# KiCad board AGBM-02_AA_1-1_GBE-plus-CXC_kicad10.kicad_pcb (continued)
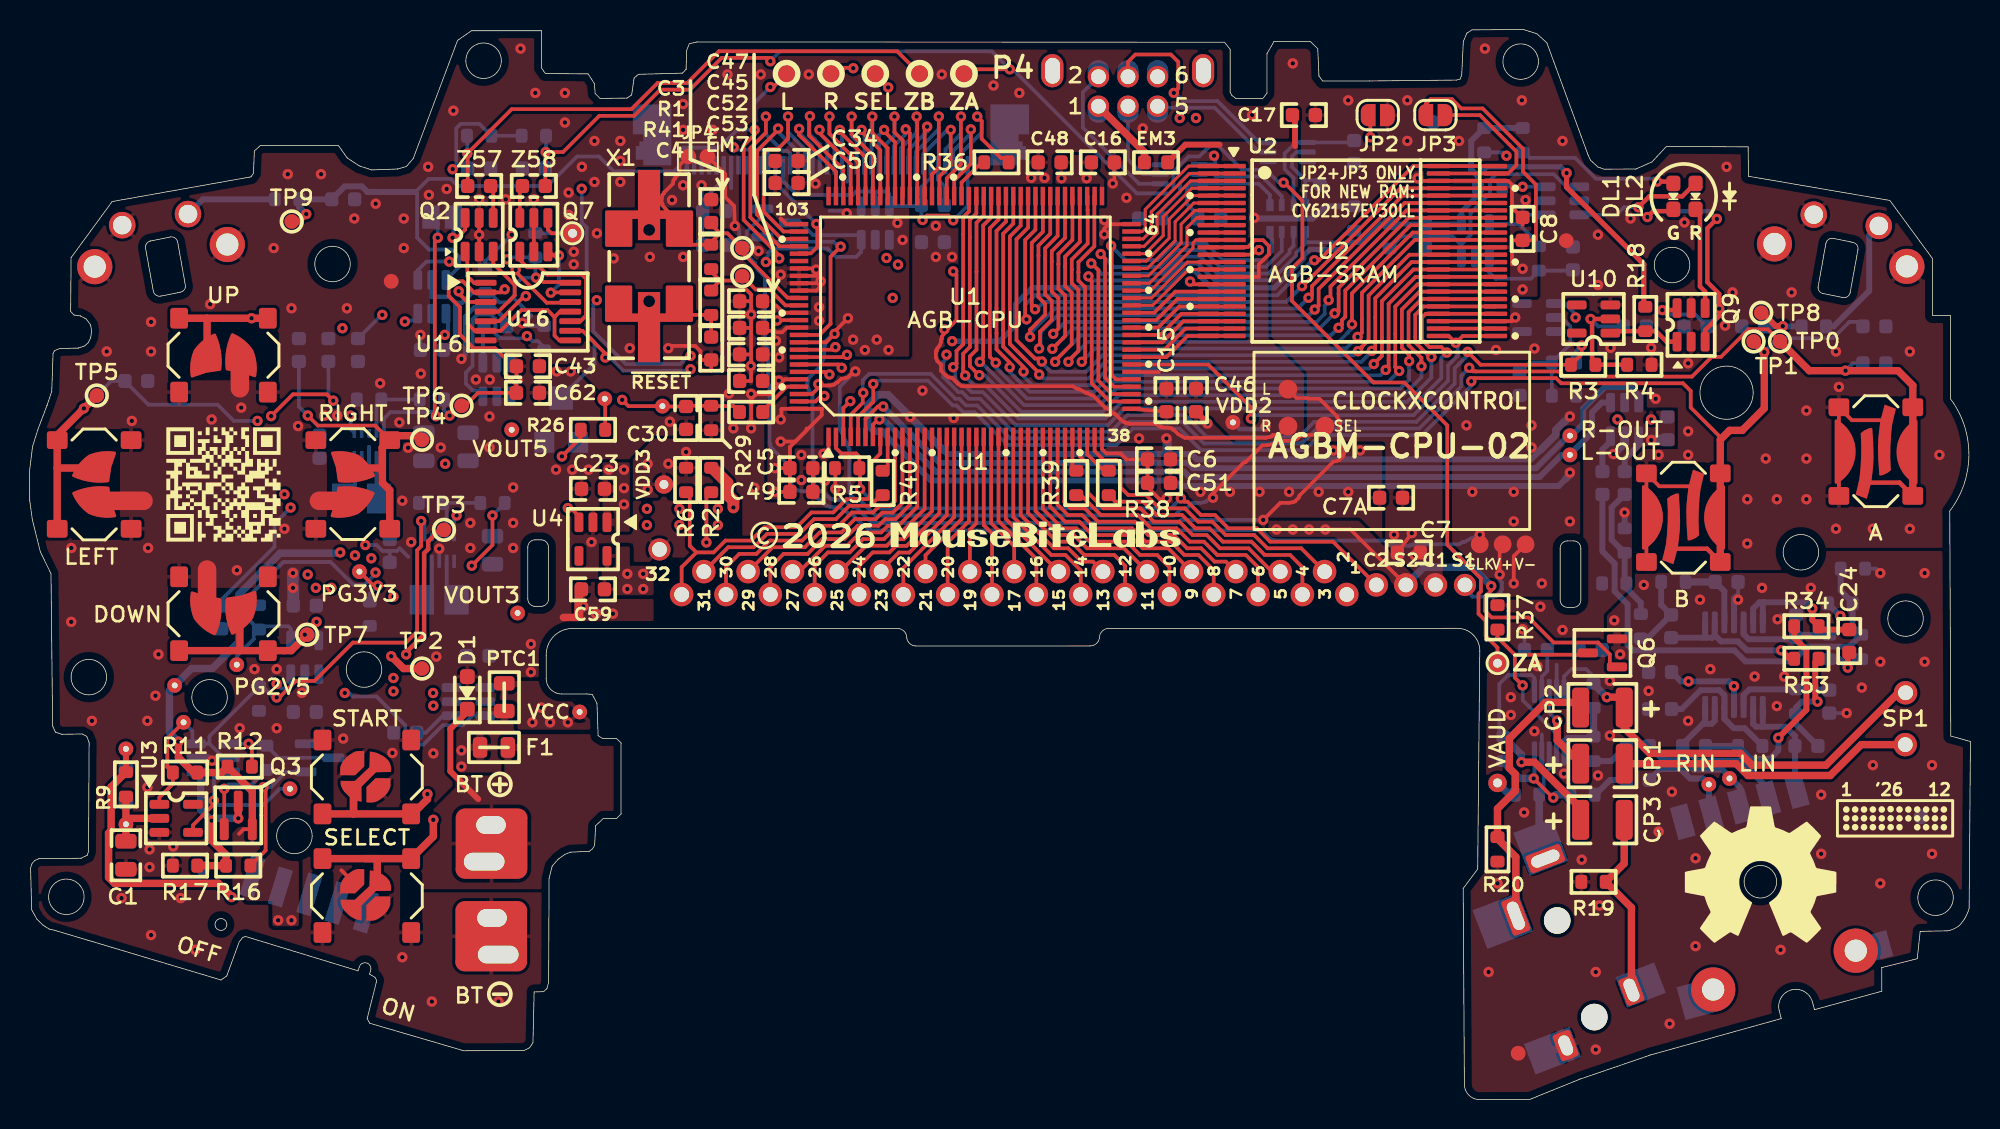
[diagram p0: board, top side]
## Library data of the parts (continued)
R7 R67 R68 R70 R71 = -: Description: Resistor, US symbol; Source: https://www.digikey.com/short/rpz9t4md; ki_fp_filters: R_*
R10 R47 R52 R56 R57 = -: Description: Resistor, small symbol; Source: https://www.digikey.com/short/38d0p2b4; ki_fp_filters: R_*
R11 R19 R20 = -: Description: Resistor, small symbol; Source: https://www.digikey.com/short/nwddb5fm; ki_fp_filters: R_*
R25 = -: Description: Resistor, small symbol; Source: https://www.digikey.com/short/w0t24jpv; ki_fp_filters: R_*
R29 R48 R54 = -: Description: Resistor, small symbol; Source: https://www.digikey.com/short/1rfwtcff; ki_fp_filters: R_*
R36 = -: Description: Resistor, small symbol; Source: https://www.digikey.com/short/85p4bp5h; ki_fp_filters: R_*
R38 R39 = -: Description: Resistor, small symbol; Source: https://www.digikey.com/short/2trwn31h; ki_fp_filters: R_*
R40 R43 R44 = -: Description: Resistor, small symbol; Source: https://www.digikey.com/short/d1537pn3; ki_fp_filters: R_*
R41 = -: Description: Resistor, small symbol; Source: https://www.digikey.com/short/89v4f1wn; ki_fp_filters: R_*
R42 R51 = -: Description: Resistor, small symbol; Source: https://www.digikey.com/short/vn4221jt; ki_fp_filters: R_*
R64 = -: Description: Resistor, small symbol; Source: https://www.digikey.com/short/3391593q; ki_fp_filters: R_*
RA1 = -: Description: 4 resistor network, parallel topology, split; Source: https://www.digikey.com/short/m8cr1b0n; ki_fp_filters: DIP* SOIC* R*Array*Concave* R*Array*Convex* MSOP*
SP1 = -: Source: https://tinyurl.com/yxxmec4w
SW1 = -: Description: Switch, single pole double throw; Source: https://www.digikey.com/short/0ww37f47
SW2 SW3 = -: Description: Push button switch, generic, two pins; Source: https://tinyurl.com/36tap2xj
SW4 = -: Description: A and B Buttons; Source: https://www.digikey.com/short/2cqndb3b; ki_fp_filters: SW*DPDT*
SW5 = -: Description: Start and Select Buttons; Source: https://www.digikey.com/short/2cqndb3b; ki_fp_filters: SW*DPDT*
SW6 = -: Description: D-Pad; Source: https://www.digikey.com/short/2cqndb3b; ki_fp_filters: SW*DPDT*
TP0-TP9 TP13-TP30 TP32-TP34 TP80 TP81 TP114 TP115 = -: Description: Test Point (Shortened); ki_fp_filters: Pin* Test*
TP10-TP12 TP31 = -: Description: test point; ki_fp_filters: Pin* Test*
U1 = -: Description: GBA CPU; Source: Salvage
U2 = -: Description: GBA SRAM; Source: Salvage
U3 U10 U17 = -: Source: https://www.digikey.com/short/pq9b8pqv
U4 U8 = -: Source: https://www.digikey.com/short/vzm4m93z; ki_fp_filters: SOT?223*TabPin2* TO?220* TO?263*
U6 = -: Source: https://www.digikey.com/short/r3rqdzt8
U7 = -: Description: Quad operational amplifier; Sim.Name: kicad_builtin_opamp_quad; Sim.Device: SUBCKT; Sim.Pins: 1=out1 2=in1- 3=in1+ 4=vcc 5=in2+ 6=in2- 7=out2 8=out3 9=in3- 10=in3+ 11=vee 12=in4+ 13=in4- 14=out4; Source: https://www.digikey.com/short/jhr04t1t; ki_fp_filters: SOIC*3.9x8.7mm*P1.27mm* DIP*W7.62mm* TSSOP*4.4x5mm*P0.65mm* SSOP*5.3x6.2mm*P0.65mm*
U9 = -: Datasheet: https://www.ti.com/lit/ds/symlink/sn74lvc2g14.pdf; Description: Dual schmitt inverter, VCC from 1.65 to 5.5 V, SOT-23; Source: https://www.digikey.com/short/tzhnmjv0; ki_fp_filters: SOT?23*
U11 U12 U18 = -: Datasheet: http://www.ti.com/lit/ds/symlink/tps22917.pdf; Description: 1V to 5.5V, 2A, 80mΩ Ultra-Low Leakage Load Switch, SOT23-6; Source: https://www.digikey.com/short/w4f9v7ht; ki_fp_filters: SOT?23*
U14 = -: Source: https://www.digikey.com/short/nrrw2pnh
U15 = -: Datasheet: http://www.ti.com/lit/sg/scyt129e/scyt129e.pdf; Description: Single OR 3-Input Gate, Low-Voltage CMOS; Source: https://www.digikey.com/short/734hmb3p; ki_fp_filters: SOT* SG*
U16 = -: Datasheet: http://www.ti.com/lit/gpn/sn74hc02; Description: quad 2-input NOR gate; Source: https://www.digikey.com/short/t1r20n2n; ki_fp_filters: SO14* DIP*W7.62mm*
VR1 = -: Description: Potentiometer; Source: https://www.digikey.com/short/p8zptq5h; ki_fp_filters: Potentiometer*
VR2 = -: Description: Dual potentiometer; Source: https://www.digikey.com/short/zh4rmq4h; ki_fp_filters: Potentiometer*
X1 = -: Description: Two pin crystal; Source: https://www.digikey.com/short/5t5j99c2; ki_fp_filters: Crystal*

## Footprints (pads in the part's own frame, mm; a bottom-side part is the same pattern mirrored in y, then rotated)
3313J-2
  rect 1.4x1.35 smd: 1(-1.55,1.15) 3(-1.55,-1.15)
  rect 1.6x1.6 smd: 2(1.45,0)
AGB-AB-Tact
  custom 1.21x4.8 smd: 1(-7.395,-2.78) 2(5.695,1.65) 3(-6.075,-1.62) 4(6.895,2.78)
  custom 1.416x4.36 smd: 1(-4.495,-2.22) 2(8.525,2.2) 3(-8.935,-2.24) 4(4.105,2.21)
  rrect 1.4x1.2 smd: 1(-4.225,0.75) 1(-4.225,-5.25) 2(8.8,5.225) 2(8.8,-0.775) 3(-9.225,0.75) 3(-9.225,-5.25) 4(3.8,5.225) 4(3.8,-0.775)
AGB-Battery
  oval 3.5x2 hole 2.75x1.2: 1(-0.46,1.97) 2(0.49,-4.32)
  custom 4.87x4.76 hole 3.75x1.2: 1(0,4.45) 2(0.07,-1.84)
AGB-Cart-Slot
  round 1.6 hole 1: 1(22,-0.65) 2(20.5,0.9) 3(19,-0.65) 4(17.5,0.9) 5(16,-0.65) 6(14.5,0.9) 7(13,-0.65) 8(11.5,0.9) 9(10,-0.65) 10(8.5,0.9) 11(7,-0.65) 12(5.5,0.9) 13(4,-0.65) 14(2.5,0.9) 15(1,-0.65) 16(-0.5,0.9) 17(-2,-0.65) 18(-3.5,0.9) 19(-5,-0.65) 20(-6.5,0.9) 21(-8,-0.65) 22(-9.5,0.9) 23(-11,-0.65) 24(-12.5,0.9) 25(-14,-0.65) 26(-15.5,0.9) 27(-17,-0.65) 28(-18.5,0.9) 29(-20,-0.65) 30(-21.5,0.9) 31(-23,-0.65) C1(28,0) C2(24,0) S2(26,0)
  round 1.5 hole 1: 32(-24.5,2.4) S1(30,0)
AGB-CPU
  rect 0.3x1.25 smd: 1(-9.25,-7.9) 2(-8.75,-7.9) 3(-8.25,-7.9) 4(-7.75,-7.9) 5(-7.25,-7.9) 6(-6.75,-7.9) 7(-6.25,-7.9) 8(-5.75,-7.9) 9(-5.25,-7.9) 10(-4.75,-7.9) 11(-4.25,-7.9) 12(-3.75,-7.9) 13(-3.25,-7.9) 14(-2.75,-7.9) 15(-2.25,-7.9) 16(-1.75,-7.9) 17(-1.25,-7.9) 18(-0.75,-7.9) 19(-0.25,-7.9) 20(0.25,-7.9) 21(0.75,-7.9) 22(1.25,-7.9) 23(1.75,-7.9) 24(2.25,-7.9) 25(2.75,-7.9) 26(3.25,-7.9) 27(3.75,-7.9) 28(4.25,-7.9) 29(4.75,-7.9) 30(5.25,-7.9) 31(5.75,-7.9) 32(6.25,-7.9) 33(6.75,-7.9) 34(7.25,-7.9) 35(7.75,-7.9) 36(8.25,-7.9) 37(8.75,-7.9) 38(9.25,-7.9) 65(9.25,8.4) 66(8.75,8.4) 67(8.25,8.4) 68(7.75,8.4) 69(7.25,8.4) 70(6.75,8.4) 71(6.25,8.4) 72(5.75,8.4) 73(5.25,8.4) 74(4.75,8.4) 75(4.25,8.4) 76(3.75,8.4) 77(3.25,8.4) 78(2.75,8.4) 79(2.25,8.4) 80(1.75,8.4) 81(1.25,8.4) 82(0.75,8.4) 83(0.25,8.4) 84(-0.25,8.4) 85(-0.75,8.4) 86(-1.25,8.4) 87(-1.75,8.4) 88(-2.25,8.4) 89(-2.75,8.4) 90(-3.25,8.4) 91(-3.75,8.4) 92(-4.25,8.4) 93(-4.75,8.4) 94(-5.25,8.4) 95(-5.75,8.4) 96(-6.25,8.4) 97(-6.75,8.4) 98(-7.25,8.4) 99(-7.75,8.4) 100(-8.25,8.4) 101(-8.75,8.4) 102(-9.25,8.4)
  rect 1.25x0.3 smd: 39(11.25,-6) 40(11.25,-5.5) 41(11.25,-5) 42(11.25,-4.5) 43(11.25,-4) 44(11.25,-3.5) 45(11.25,-3) 46(11.25,-2.5) 47(11.25,-2) 48(11.25,-1.5) 49(11.25,-1) 50(11.25,-0.5) 51(11.25,0) 52(11.25,0.5) 53(11.25,1) 54(11.25,1.5) 55(11.25,2) 56(11.25,2.5) 57(11.25,3) 58(11.25,3.5) 59(11.25,4) 60(11.25,4.5) 61(11.25,5) 62(11.25,5.5) 63(11.25,6) 64(11.25,6.5) 103(-11.25,6.5) 104(-11.25,6) 105(-11.25,5.5) 106(-11.25,5) 107(-11.25,4.5) 108(-11.25,4) 109(-11.25,3.5) 110(-11.25,3) 111(-11.25,2.5) 112(-11.25,2) 113(-11.25,1.5) 114(-11.25,1) 115(-11.25,0.5) 116(-11.25,0) 117(-11.25,-0.5) 118(-11.25,-1) 119(-11.25,-1.5) 120(-11.25,-2) 121(-11.25,-2.5) 122(-11.25,-3) 123(-11.25,-3.5) 124(-11.25,-4) 125(-11.25,-4.5) 126(-11.25,-5) 127(-11.25,-5.5) 128(-11.25,-6)
AGB-Crystal
  custom 5.95x5.2 smd: 1(0,4.125)
  custom 5.95x5.19 smd: 2(0,-4.135)
AGB-DPAD-Tact
  rrect 1.2x1.4 smd: 1(-3,11.25) 1(3,11.25) 3(-3,-11.25) 3(3,-11.25) 5(-3,6.25) 5(3,6.25) 7(-3,-6.25) 7(3,-6.25)
  custom 2.141x2.972 smd: 1(-1.11,9.07) 3(1.11,-9.03) 5(1.11,9.09) 7(-1.11,-9.07)
  custom 2.972x2.141 smd: 2(9.11,1.11) 4(-9.1,1.11) 6(9.08,-1.11) 8(-9.09,-1.11)
  rrect 1.4x1.2 smd: 2(11.25,3) 2(11.25,-3) 4(-11.25,3) 4(-11.25,-3) 6(6.25,3) 6(6.25,-3) 8(-6.25,3) 8(-6.25,-3)
AGB-EXT
  round 1.45 hole 1: 1(-2,0) 2(-2,2) 3(0,0) 4(0,2) 5(2,0) 6(2,2)
  oval 1.5x2.25 hole 1x1.75: 7(-5.1,2.4) 8(5.1,2.4)
AGB-FFC-Connector
  custom 2.6x4.125 smd: 0(-11.75,-2.062) 0(11.75,-2.062)
  rect 0.3x1.25 smd: 1(9.75,0) 2(9.25,0) 3(8.75,0) 4(8.25,0) 5(7.75,0) 6(7.25,0) 7(6.75,0) 8(6.25,0) 9(5.75,0) 10(5.25,0) 11(4.75,0) 12(4.25,0) 13(3.75,0) 14(3.25,0) 15(2.75,0) 16(2.25,0) 17(1.75,0) 18(1.25,0) 19(0.75,0) 20(0.25,0) 21(-0.25,0) 22(-0.75,0) 23(-1.25,0) 24(-1.75,0) 25(-2.25,0) 26(-2.75,0) 27(-3.25,0) 28(-3.75,0) 29(-4.25,0) 30(-4.75,0) 31(-5.25,0) 32(-5.75,0) 33(-6.25,0) 34(-6.75,0) 35(-7.25,0) 36(-7.75,0) 37(-8.25,0) 38(-8.75,0) 39(-9.25,0) 40(-9.75,0)
AGB-L
  round 1.796 hole 1.25: 1(0,0) 2(-4.45,-0.75)
  round 2.38 hole 1.5: 2(-6.31,-3.56) 2(2.66,-2.06)
AGB-R
  round 1.796 hole 1.25: 1(0,0) 2(-4.4,0.76)
  round 2.38 hole 1.5: 2(-7.06,-1.22) 2(1.9,-2.74)
AGB-Speaker
  round 1.588 hole 1: 1(0.025,0) 2(0.005,-3.51)
AGB-SRAM_2
  rrect 1.49x0.3 smd: 1(-8.45,5.75) 2(-8.45,5.25) 3(-8.45,4.75) 4(-8.45,4.25) 5(-8.45,3.75) 6(-8.45,3.25) 7(-8.45,2.75) 8(-8.45,2.25) 9(-8.45,1.75) 10(-8.45,1.25) 11(-8.45,0.75) 12(-8.45,0.25) 13(-8.45,-0.25) 14(-8.45,-0.75) 15(-8.45,-1.25) 16(-8.45,-1.75) 17(-8.45,-2.25) 18(-8.45,-2.75) 19(-8.45,-3.25) 20(-8.45,-3.75) 21(-8.45,-4.25) 22(-8.45,-4.75) 23(-8.45,-5.25) 24(-8.45,-5.75)
  rrect 1.525x0.3 smd: 1(-6.69,5.75) 2(-6.69,5.25) 3(-6.69,4.75) 4(-6.69,4.25) 5(-6.69,3.75) 6(-6.69,3.25) 7(-6.69,2.75) 8(-6.69,2.25) 9(-6.69,1.75) 10(-6.69,1.25) 11(-6.69,0.75) 12(-6.69,0.25) 13(-6.69,-0.25) 14(-6.69,-0.75) 15(-6.69,-1.25) 16(-6.69,-1.75) 17(-6.69,-2.25) 18(-6.69,-2.75) 19(-6.69,-3.25) 20(-6.69,-3.75) 21(-6.69,-4.25) 22(-6.69,-4.75) 23(-6.69,-5.25) 24(-6.69,-5.75)
  rrect 1.575x0.3 smd: 25(7.1,-5.75) 25(10.967,-5.75) 26(7.1,-5.25) 26(10.967,-5.25) 27(7.1,-4.75) 27(10.967,-4.75) 28(7.1,-4.25) 28(10.967,-4.25) 29(7.1,-3.75) 29(10.967,-3.75) 30(7.1,-3.25) 30(10.967,-3.25) 31(7.1,-2.75) 31(10.967,-2.75) 32(7.1,-2.25) 32(10.967,-2.25) 33(7.1,-1.75) 33(10.967,-1.75) 34(7.1,-1.25) 34(10.967,-1.25) 35(7.1,-0.75) 35(10.967,-0.75) 36(7.1,-0.25) 36(10.967,-0.25) 37(7.1,0.25) 37(10.967,0.25) 38(7.1,0.75) 38(10.967,0.75) 39(7.1,1.25) 39(10.967,1.25) 40(7.1,1.75) 40(10.967,1.75) 41(7.1,2.25) 41(10.967,2.25) 42(7.1,2.75) 42(10.967,2.75) 43(7.1,3.25) 43(10.967,3.25) 44(7.1,3.75) 44(10.967,3.75) 45(7.1,4.25) 45(10.967,4.25) 46(7.1,4.75) 46(10.967,4.75) 47(7.1,5.25) 47(10.967,5.25) 48(7.1,5.75) 48(10.967,5.75)
AGB-Start-Select-Tact
  rrect 1.2x1.4 smd: 1(-3,-2.5) 1(3,-2.5) 2(-3,-5.525) 2(3,-5.525) 3(-3,2.5) 3(3,2.5) 4(-3,-10.525) 4(3,-10.525)
  custom 3.42x3.39 smd: 1(0.705,0.91) 2(0.705,-7.13)
  custom 1.63x1.65 smd: 3(-0.925,0.88) 3(0.725,-0.85) 4(-0.925,-7.11) 4(0.715,-8.85)
AGB-Switch_CSS-1X10B_Uncentered
  rect 1x2.8 smd: 1(-3.425,2.6) 2(-1.425,2.6) 3(0.575,2.6) 4(4.6,2.6)
  rect 1x2.6 smd: 3(2.6,2.5)
C_0603_1608Metric_Boxed_2
  rrect 0.9x0.95 smd: 1(-0.775,0) 2(0.775,0)
C_0805_2012Metric_Boxed_2
  rrect 1x1.45 smd: 1(-0.95,0) 2(0.95,0)
C_1210_3225Metric_Boxed_2
  rrect 1.15x2.7 smd: 1(-1.475,0) 2(1.475,0)
ClockxControl_GBA_GBC
  round 1.27 smd: 1(4.525,-1) 2(7.025,-3.5) 3(7.025,-1)
CUI_SJ-3524-SMT
  round 1.8 hole 1.8 unplated: (0,0) (7,0)
  rect 2.2x3.3 smd: 1(-1.1,-3.45)
  rrect 1.905x1.27 hole 1.4x0.8: 1(-1.1,-2.5)
  rect 2.8x3.3 smd: 2(8.3,-3.45)
  rrect 2.5x1.27 hole 2x0.8: 2(8.3,-2.5)
  rrect 1.905x1.27 hole 1.6x0.8: 3(0.8,3)
  rect 2.2x2.8 smd: 3(0.9,3.7)
  rrect 1.27x2.5 hole 0.8x2: 4(11.2,0.75)
  rect 3.1x2.8 smd: 4(12.05,0.75)
D_SOD-323F
  rrect 1x1 smd: 1(-1.1,0) 2(1.1,0)
Fiducial_1mm_Mask2mm
  round 1 smd: 1(0,0)
Fuse_0805_2012Metric
  rrect 0.975x1.4 smd: 1(-0.938,0) 2(0.938,0)
L_0603_1608Metric
  rrect 0.875x0.95 smd: 1(-0.787,0) 2(0.787,0)
L_CommonModeChoke_TDK_ACM2520-3P
  rrect 1.15x0.35 smd: 1(-1.325,0.65) 2(-1.325,0) 3(-1.325,-0.65) 4(1.325,-0.65) 5(1.325,0) 6(1.325,0.637)
L_Taiyo-Yuden_NR-20xx_HandSoldering
  rect 1.65x2 smd: 1(-1.175,0) 2(1.175,0)
LED_0603_1608Metric_Pad1.05x0.95mm_HandSolder
  rrect 1.05x0.95 smd: 1(-0.875,0) 2(0.875,0)
MSOP-10_3x3mm_P0.5mm
  rrect 1.625x0.35 smd: 1(-2.112,1) 2(-2.112,0.5) 3(-2.112,0) 4(-2.112,-0.5) 5(-2.112,-1) 6(2.112,-1) 7(2.112,-0.5) 8(2.112,0) 9(2.112,0.5) 10(2.112,1)
NetTie-2_SMD_Pad0.5mm
  round 0.5 smd: 1(-0.5,0) 2(0.5,0)
R_0603_1608Metric_Boxed
  rrect 0.8x0.95 smd: 1(-0.825,0) 2(0.825,0)
R_Array_Convex_4x0603
  rect 0.8x0.5 smd: 1(-0.9,1.2) 4(-0.9,-1.2) 5(0.9,-1.2) 8(0.9,1.2)
  rect 0.8x0.4 smd: 2(-0.9,0.4) 3(-0.9,-0.4) 6(0.9,-0.4) 7(0.9,0.4)
RK10J12R0A0B_w_THT
  rect 1.2x2.25 smd: 1(4,-9) 2(2,-9) 3(0,-9) 4(-2,-9) 5(-4,-9)
  rect 2.5x2.3 smd: 6(-6.1,2.85)
  round 3 hole 1.5: 6(-5,2.5) 6(5,2.5)
  rect 2.5x1.8 smd: 6(6.1,2.6)
SJ
  rect 1.168x1.6 smd: 1(-0.762,0) 2(0.762,0)
SJ_ROUNDED
  custom 1x1.5 smd: 1(-0.65,0) 2(0.65,0)
SolderJumper_2_Open
  round 1.05 smd: 1(-0.65,0) 2(0.65,0)
SOT-23
  rrect 1.375x0.6 smd: 1(-0.988,0.95) 2(-0.988,-0.95) 3(0.988,0)
SOT-23#2
  rrect 1.475x0.6 smd: 1(-0.938,0.95) 2(-0.938,-0.95) 3(0.938,0)
SOT-23-5
  rrect 1.325x0.6 smd: 1(-1.137,0.95) 2(-1.137,0) 3(-1.137,-0.95) 4(1.137,-0.95) 5(1.137,0.95)
TestPoint_Pad_D1.0mm
  round 1.5 smd: 1(0,0)
TestPoint_Pad_D1.0mm#2
  round 1 smd: 1(0,0)
TestPoint_Pad_D1.0mm#3
  round 1.2 smd: 1(0,0)
TestPoint_Pad_D1.0mm_VIA
  round 1 hole 0.4: 1(0,0)
TestPoint_Pad_D1.25mm_VIA
  round 1.25 hole 0.6: 1(0,0)
TSOT-23-6
  rrect 1.325x0.6 smd: 1(-1.137,0.95) 2(-1.137,0) 3(-1.137,-0.95) 4(1.137,-0.95) 5(1.137,0) 6(1.137,0.95)
TSSOP-14_4.4x5mm_P0.65mm
  rrect 1.475x0.4 smd: 1(-2.862,1.95) 2(-2.862,1.3) 3(-2.862,0.65) 4(-2.862,0) 5(-2.862,-0.65) 6(-2.862,-1.3) 7(-2.862,-1.95) 8(2.862,-1.95) 9(2.862,-1.3) 10(2.862,-0.65) 11(2.862,0) 12(2.862,0.65) 13(2.862,1.3) 14(2.862,1.95)
VREG_TPS63802DLAR
  rrect 0.6x0.25 smd: 1(-0.9,1) 2(-0.9,0.5) 3(-0.9,0) 4(-0.9,-0.5) 5(-0.9,-1)
  rrect 0.9x0.25 smd: 6(0.75,-1) 7(0.75,-0.5) 9(0.75,0.5) 10(0.75,1)
  rrect 1.3x0.25 smd: 8(0.55,0)

## Nets
AGND: C9.2 C26.2 C27.2 C31.2 C33.2 C36.2 C38.2 C54.2 C59.2 NT1.2 P3.1 Q6.2 R19.2 R20.2 R45.2 R49.2 U6.4 U7.11 U9.2 VR2.5
GND: BT1.2 C1.2 C2.2 C3.1 C4.2 C5.2 C6.2 C7.2 C7A.2 C8.2 C10.2 C11.2 C12.2 C13.2 C14.2 C15.2 C16.2 C17.2 C18.2 C19.2 C20.2 C21.2 C22.2 C23.2 C30.1 C34.2 C37.2 C39.2 C42.2 C43.2 C44.2 C45.2 C46.2 C47.2 C48.2 C49.2 C50.2 C51.2 C52.2 C53.2 C57.2 C58.2 C60.2 C61.2 C62.1 C63.1 C64.1 C68.2 C69.2 C70.2 C71.2 C72.2 C73.1 C74.1 C75.1 C76.1 C77.1 C78.1 C79.1 C80.2 D1.2 EM1.1 EM2.3 JP2.1 NT1.1 P1.32 P2.0 P2.6 P2.18 P2.35 Q1.2 Q2.2 Q2.5 Q5.2 Q5.5 Q7.2 Q7.5 Q8.2 Q9.2 Q9.5 Q10.2 R4.2 R5.2 R17.2 R24.2 R60.2 R63.2 R73.2 SW2.2 SW3.2 SW4.3 SW4.4 SW5.3 SW5.4 SW6.5 SW6.6 SW6.7 SW6.8 TP85.1 U1.39 U1.64 U1.102 U1.109 U1.110 U1.111 U1.112 U1.116 U1.128 U2.13 U2.26 U2.27 U2.46 U3.3 U4.2 U5.2 U5.3 U5.8 U8.2 U10.3 U11.2 U12.2 U13.2 U13.3 U13.8 U14.2 U15.2 U16.7 U17.3 U18.2 VR1.3
VBATT: D2.2 F1.2 PTC1.1 R9.1 SW1.1 TP19.1
VCC: C37.1 C57.1 PTC1.2 TP32.1 U5.10 U13.10
VDD2: C8.1 C15.1 C16.1 C45.1 C46.1 C47.1 C48.1 C52.1 C53.1 C60.1 JP3.1 R8.1 TP18.1 U1.44 U1.65 U1.115 U1.117 U2.12 U2.16 U2.37 U8.5
VDD3: C5.1 C34.1 C39.1 C43.1 C49.1 C50.1 C69.1 P1.S1 R6.1 R7.1 R29.2 R67.1 R68.1 R70.1 R71.1 TP21.1 TP84.1 U1.1 U1.103 U1.124 U12.1 U15.5 U16.14 U18.5 U18.6
VDD5: C11.1 C13.1 P1.S2 P2.34 Q6.1 R26.2 TP14.1 U11.5 U11.6
VDD35: C6.1 C7.1 C7A.1 C17.1 C51.1 EM3.1 P1.1 P1.C1 R2.1 R35.2 U1.38
/CPU/A_{0}: P1.6 U1.33
/CPU/A_{1}: P1.7 U1.32
/CPU/A_{2}: P1.8 U1.31
/CPU/A_{3}: P1.9 U1.30
/CPU/A_{4}: P1.10 U1.29
/CPU/A_{5}: P1.11 U1.28
/CPU/A_{6}: P1.12 U1.27
/CPU/A_{7}: P1.13 U1.26
/CPU/A_{8}: P1.14 U1.25
/CPU/A_{9}: P1.15 U1.24
/CPU/A_{10}: P1.16 U1.23
/CPU/A_{11}: P1.17 U1.22
/CPU/A_{12}: P1.18 U1.21
/CPU/A_{13}: P1.19 U1.20
/CPU/A_{14}: P1.20 U1.19
/CPU/A_{15}: P1.21 U1.18
/CPU/Audio/L-OUT: TP115.1 U1.7 U9.1
/CPU/Audio/LIN: C56.1 TP33.1 VR2.3
/CPU/Audio/R-OUT: TP114.1 U1.6 U9.3
/CPU/Audio/RIN: C55.1 TP34.1 VR2.4
/CPU/CK1: C3.2 JP4.1 R1.1 TP80.1 U1.113 X1.1
/CPU/CK2: R1.2 R41.1 TP81.1 U1.114
/CPU/CLS: P2.25 U1.105
/CPU/D_{0}: P1.22 U1.17
/CPU/D_{1}: P1.23 U1.16
/CPU/D_{2}: P1.24 U1.15
/CPU/D_{3}: P1.25 U1.14
/CPU/D_{4}: P1.26 U1.13
/CPU/D_{5}: P1.27 U1.12
/CPU/D_{6}: P1.28 U1.11
/CPU/D_{7}: P1.29 U1.10
/CPU/DCK_{R}: R36.2 U1.84
/CPU/Display/DCK: P2.3 R36.1
/CPU/Display/VCOM: P2.29 VR1.2
/CPU/Display/VR1-2: R26.1 VR1.1
/CPU/Display/ZA: Q7.6 Z58.1
/CPU/Display/ZB: Q2.4 Z57.1
/CPU/IN35: P1.C2 R5.1 U1.2
/CPU/IRQ: P1.31 R6.2 U1.8
/CPU/LDB1: P2.23 U1.101
/CPU/LDB2: P2.22 U1.100
/CPU/LDB3: P2.21 U1.99
/CPU/LDB4: P2.20 U1.98
/CPU/LDB5: P2.19 U1.97
/CPU/LDG1: P2.17 U1.96
/CPU/LDG2: P2.16 U1.95
/CPU/LDG3: P2.15 U1.94
/CPU/LDG4: P2.14 U1.93
/CPU/LDG5: P2.13 U1.92
/CPU/LDR1: P2.12 U1.91
/CPU/LDR2: P2.11 U1.90
/CPU/LDR3: P2.10 U1.89
/CPU/LDR4: P2.9 U1.88
/CPU/LDR5: P2.8 U1.87
/CPU/LGND: EM1.6 EM2.4 P4.6 P4.7 P4.8
/CPU/LP: P2.4 U1.85
/CPU/LRST: U15.4 U16.3 U16.6 U16.8 U16.11
/CPU/MA_{0}: U1.45 U2.25
/CPU/MA_{1}: U1.46 U2.24
/CPU/MA_{2}: U1.47 U2.23
/CPU/MA_{3}: U1.48 U2.22
/CPU/MA_{4}: U1.49 U2.21
/CPU/MA_{5}: U1.50 U2.20
/CPU/MA_{6}: U1.51 U2.19
/CPU/MA_{7}: U1.52 U2.18
/CPU/MA_{8}: U1.56 U2.8
/CPU/MA_{9}: U1.57 U2.7
/CPU/MA_{10}: U1.58 U2.6
/CPU/MA_{11}: U1.59 U2.5
/CPU/MA_{12}: U1.60 U2.4
/CPU/MA_{13}: U1.61 U2.3
/CPU/MA_{14}: U1.62 U2.2
/CPU/MA_{15}: U1.63 U2.1
/CPU/MA_{16}: U1.74 U2.48
/CPU/MD_{0}: U1.82 U2.29
/CPU/MD_{1}: U1.80 U2.31
/CPU/MD_{2}: U1.78 U2.33
/CPU/MD_{3}: U1.76 U2.35
/CPU/MD_{4}: U1.66 U2.38
/CPU/MD_{5}: U1.68 U2.40
/CPU/MD_{6}: U1.70 U2.42
/CPU/MD_{7}: U1.72 U2.44
/CPU/MD_{8}: U1.81 U2.30
/CPU/MD_{9}: U1.79 U2.32
/CPU/MD_{10}: U1.77 U2.34
/CPU/MD_{11}: U1.75 U2.36
/CPU/MD_{12}: U1.67 U2.39
/CPU/MD_{13}: U1.69 U2.41
/CPU/MD_{14}: U1.71 U2.43
/CPU/MD_{15}: U1.73 U2.45
/CPU/MOD: P2.28 U1.107
/CPU/PHI: P1.2 U1.37
/CPU/PS: P2.5 U1.86
/CPU/RES: P1.30 R2.2 R40.1
/CPU/RES_{0}: R40.2 U1.9
/CPU/SCK: EM2.5 P4.5
/CPU/SD: EM2.6 P4.4
/CPU/SI: EM1.5 P4.3
/CPU/SO: EM1.4 P4.2
/CPU/SPL: P2.24 U1.104
/CPU/SPS: P2.26 U1.106
/CPU/TP0: C79.2 SW4.2 TP0.1 U1.4 U16.9
/CPU/TP1: C73.2 SW4.1 TP1.1 U1.5 U16.5
/CPU/TP2: C78.2 MOD1.1 SW5.2 TP2.1 TP29.1 U1.126 U16.12
/CPU/TP3: C77.2 SW5.1 TP3.1 U1.127 U15.1
/CPU/TP4: C74.2 SW6.2 TP4.1 U1.123
/CPU/TP5: C75.2 SW6.4 TP5.1 U1.121
/CPU/TP6: C62.2 SW6.1 TP6.1 U1.120 U16.2
/CPU/TP7: C76.2 SW6.3 TP7.1 U1.122
/CPU/TP8: C63.2 MOD1.3 R43.2 TP8.1 TP27.1 U1.3 U15.3
/CPU/TP9: C64.2 MOD1.2 R44.2 TP9.1 TP28.1 U1.119 U15.6
/CPU/VCNT5: Q8.1 U1.118
/CPU/VSHD: C14.1 P2.2 P2.7 P2.27 R67.2 U12.5 U12.6
/CPU/~{CS}: P1.5 R39.1
/CPU/~{CS}_{0}: R39.2 U1.34
/CPU/~{LB}: U1.53 U2.15
/CPU/~{OE}_{RAM}: U1.83 U2.28
/CPU/~{RD}: P1.4 U1.35
/CPU/~{UB}: U1.54 U2.14
/CPU/~{WE}_{RAM}: U1.55 U2.11
/CPU/~{WR}: P1.3 R38.1
/CPU/~{WR}_{0}: R38.2 U1.36
/D1A: C68.1 DL1.1 Q9.3 Q9.6
/DL1A: DL1.2 R25.2
/DL2A: DL2.2 Q5.6 R10.2
/EN: Q10.3 Q10.5 R11.2 R24.1 TP24.1 U3.1 U13.1
/PG_{2V5}: R8.2 TP30.1 U4.3 U5.1 U8.4 U18.3
/PG_{3V3}: R13.1 TP23.1 U8.3 U13.5
/VFILT: C1.1 D2.1 R9.2 TP26.1 U3.2
/~{MR}: Q10.6 TP17.1 U3.4
/~{RESET}: C30.2 EM7.1 JP1.2 R29.1 TP15.1 U5.5
/~{VCNT5}: Q8.3 R7.2 U11.3 U12.3
CXC_CLK: JP4.2 TP83.1
SW: Q3.2 R3.1 R11.1 R12.1 R58.1 SW1.2 SW1.3 TP20.1
VAUD: C9.1 C36.1 C54.1 C59.1 R14.1 R37.1 R46.1 R50.1 TP22.1 U4.5 U6.9 U7.4 U9.5
VOUT3: C2.1 C22.1 C23.1 C42.1 R13.2 R72.1 TP16.1 U4.1 U8.1 U13.6 U18.1
VOUT5: C21.1 C58.1 C72.1 R10.1 R18.1 R25.1 R59.1 R65.1 R66.1 TP13.1 U5.6 U11.1 U14.4
Net-(BT1-+): BT1.1 D1.1 F1.1
Net-(C4-Pad1): C4.1 R41.2 X1.2
Net-(C24-Pad1): C24.1 R42.1 R47.1
Net-(C25-Pad2): C25.2 R42.2 R45.1 R46.2
Net-(C28-Pad1): C28.1 R34.1 R48.1
Net-(C29-Pad2): C29.2 R49.1 R50.2 R51.2
Net-(C32-Pad1): C32.1 R51.1 R52.1
Net-(C35-Pad1): C35.1 R53.1 R54.1
Net-(C55-Pad2): C55.2 R31.2
Net-(C56-Pad2): C56.2 R30.2
Net-(C70-Pad1): C70.1 R70.2 TP10.1 Z57.2
Net-(C71-Pad1): C71.1 R71.2 TP11.1 TP31.1 Z58.2
Net-(CP1-Pad2): CP1.2 SP1.2
Net-(CP2-Pad2): CP2.2 P3.2 R20.1
Net-(CP3-Pad2): CP3.2 P3.3 R19.1
Net-(DL2-K): DL2.1 Q9.4
Net-(JP1-A): JP1.1 Q2.6
Net-(JP2-B): JP2.2 U2.17
Net-(JP3-B): JP3.2 U2.47
Net-(P4-VDD35): EM3.2 P4.1
Net-(Q1-B): Q1.1 R16.2
Net-(Q1-C): Q1.3 Q10.4 R12.2 R15.2
Net-(Q2A-G): Q2.1 U16.1
Net-(Q2B-G): Q2.3 U16.4
Net-(Q3-B): Q3.1 R15.1
Net-(Q5A-G): Q5.1 R64.1 U14.5
Net-(Q5B-D): Q5.4 R65.2 U14.3
Net-(Q5B-G): Q5.3 R66.2 U17.1
Net-(Q6-D): Q6.3 R37.2 U6.2
Net-(Q7A-G): Q7.1 U16.10
Net-(Q7B-D): Q7.4 R68.2 TP12.1
Net-(Q7B-G): Q7.3 U16.13
Net-(Q9A-G): Q9.1 R18.2 U10.1
Net-(Q10A-G): Q3.3 Q10.1 R16.1 R17.1
Net-(R43-Pad1): R43.1 SW3.1
Net-(R44-Pad1): R44.1 SW2.1
Net-(RA1A-R1.1): R35.1 RA1.1 U1.40
Net-(RA1A-R1.2): EM2.2 RA1.8 TP25.1
Net-(RA1B-R2.1): RA1.2 U1.41
Net-(RA1B-R2.2): C20.1 EM2.1 RA1.7
Net-(RA1C-R3.1): RA1.3 U1.42
Net-(RA1C-R3.2): C18.1 EM1.2 RA1.6
Net-(RA1D-R4.1): RA1.4 U1.43
Net-(RA1D-R4.2): C19.1 EM1.3 RA1.5
Net-(U1H-~{RESET}): EM7.2 U1.125
Net-(U5-FB): R59.2 R60.1 U5.4
Net-(U5-L1): L2.2 U5.9
Net-(U5-L2): L2.1 U5.7
Net-(U6-BTL+): CP1.1 U6.8
Net-(U6-BYPASS): C38.1 U6.7
Net-(U6-HP-IN): P3.4 R14.2 U6.3
Net-(U6-LIN): R30.1 R57.2 U6.1
Net-(U6-LOUT/BTL-): CP2.1 R57.1 SP1.1 U6.10
Net-(U6-RIN): R31.1 R56.1 U6.5
Net-(U6-ROUT): CP3.1 R56.2 U6.6
Net-(U7A-+): C33.1 R54.2 U7.3
Net-(U7A--): C35.2 U7.1 U7.2 VR2.1
Net-(U7B-+): C27.1 R48.2 U7.5
Net-(U7B--): C28.2 U7.6 U7.7 VR2.2
Net-(U7C-+): C31.1 R52.2 U7.10
Net-(U7C--): C32.2 R53.2 U7.8 U7.9
Net-(U7D-+): C26.1 R47.2 U7.12
Net-(U7D--): C24.2 R34.2 U7.13 U7.14
Net-(U9-1Y): C25.1 U9.6
Net-(U9-2Y): C29.1 U9.4
Net-(U10-VDD): C10.1 R3.2 R4.1 U10.2
Net-(U11-CT): C61.1 U11.4
Net-(U13-FB): R72.2 R73.1 U13.4
Net-(U13-L1): L1.2 U13.9
Net-(U13-L2): L1.1 U13.7
Net-(U14-T/T): C44.1 R64.2 U14.1
Net-(U17-VDD): C12.1 R58.2 R63.1 U17.2
Net-(U18-CT): C80.1 U18.4

Pads without a net: FID1 1; FID2 1; FID3 1; FID4 1; FID5 1; FID6 1; P2 1 30 31 32 33 36 37 38 39 40; SW1 4; U1 108; U2 9 10; U3 5; U4 4; U10 4 5; U12 4; U17 4 5; VR2 6

## Via types
v1: diameter 0.7, hole 0.3, Top to Bottom, 553 vias
v2: diameter 1.2, hole 0.8, Top to Bottom, 2 vias

## Routing (per net, layer and track width the routed paths; a pad name or vN(x,y) marks a point on that pad's centre or on a via; arc(x,y) is an arc through that point)
AGND: length 12
  Top w0.25: 37.17,33.03 37.12,32.98 37.12,32.73
  Top w0.6: 37.17,34.73 37.17,32.73
  Bottom w0.25: U6.4 102.32,24.7 ; v1(101.02,31.83) 101.02,31.65 101.14,31.53 101.14,30.53 ; C31.2 v1(115.59,33.83) ; 124.14,35.93 124.92,35.93 v1(125.22,35.63) ; C26.2 118.57,32.8 v1(118.27,32.5) ; 106.5,30.43 106.52,30.43 ; 121.82,26.15 v1(122.94,26.15)
  Bottom w0.4: U7.11 115.32,33.9 115.47,34.05 ; 110.82,46.2 110.64,46.03
  vias: v1(37.47,33.38) v1(38.32,32.88) v1(39.47,32.88) v1(98.72,8.63) v1(99.32,14.63) v1(100.22,27.23) v1(100.22,26.03) v1(101.12,19.43) v1(101.82,24.93) v1(102.02,29.33) v1(103.82,22.05) v1(105.02,16.23) v1(105.97,8.63) v1(105.97,3.38) v1(106.12,21.93) v1(106.22,13.13) v1(106.92,28.33) v1(106.92,24.63) v1(107.22,32.43) v1(107.44,46.03) v1(107.62,30.13) v1(109.22,34.83) v1(109.55,27.65) v1(109.72,46.03) v1(110.22,18.13) v1(110.97,5.13) v1(111.12,20.83) v1(112.22,25.63) v1(112.72,16.33) v1(112.72,10.38) v1(113.02,33.83) v1(113.72,29.13) v1(116.72,28.63) v1(117.22,34.63) v1(118.22,26.63) v1(118.47,10.13) v1(118.72,28.63) v1(120.52,34.63) v1(121.22,20.63) v1(121.22,16.63) v1(123.97,27.88) v1(124.72,22.63) v1(125.22,29.63) v1(125.22,14.63) v1(128.22,35.63) v1(128.22,29.63) v1(128.72,22.63) v1(128.72,16.63)
GND: length 251.7
  Top w0.2: 51.99,62.77 52.51,62.77
  Top w0.25: v1(50.82,46.03) 50.87,46.08 50.87,46.73 50.89,46.75 52.05,46.75 ; v1(100.52,52.93) 100.27,52.68 U2.27 ; 48.82,50.43 48.82,49.67 v1(48.8,49.65) ; 48.82,50.43 48.82,52.23 ; 48.82,50.43 C52.2 ; C5.2 v1(50.42,42.73) ; C5.2 51.45,44.16 52.57,45.29 ; C5.2 51.45,41.23 ; U2.13 U2.13 82.7,57.18 83.01,57.48 v1(83.18,57.48) ; 73.39,63.63 73.39,62.1 v1(73.29,62) ; SW4.4 122.42,43.53 122.72,43.84 122.42,44.14 SW4.4 123.3,45.98 125.52,45.98 125.52,45.97 SW4.4 ; SW4.3 112.55,40.53 112.57,40.55 112.57,41.5 110.27,41.5 SW4.3 109.39,39.68 SW4.3 109.39,39.1 SW4.3 ; 53.61,46.73 53.6,46.75 52.05,46.75 ; 48.82,52.23 v1(48.82,53.13) ; 48.82,52.23 C45.2 ; v1(48.82,53.13) 48.82,54.03 ; v1(48.82,53.13) 48.22,53.13 48.12,53.03 ; 48.82,54.03 C47.2 ; 48.82,54.03 48.82,54.49 48.41,54.9 ; 52.05,55.75 53.24,55.75 53.32,55.83 53.32,56.07 v1(53.22,56.17) 53.15,56.25 52.05,56.25 ; U2.26 99.18,52.18 99.19,52.17 ; v1(100.42,34.93) 100.42,36.78 TP85.1 ; U2.27 99.18,52.68 99.19,52.67 ; 52.57,45.29 53.6,46.32 53.6,46.75 52.05,46.75 ; 52.57,45.29 51.81,44.53 v1(50.82,44.53) ; 52.57,45.29 52.57,45.42 ; SW5.4 21.09,15.52 ; U2.46 100.04,62.18 100.3,61.92 100.3,60.38 101.02,59.66 101.02,59.2 ; 73.01,59.24 v1(72.72,59.53) 72.82,59.53 ; 73.01,59.24 72.72,58.95 v1(72.72,58.56) ; 73.01,59.24 74.48,59.24 ; 67.82,62.38 v1(67.77,62.38) ; 48.12,54 48.14,54.03 ; v1(48.8,49.65) 48.67,49.53 ; v1(48.8,49.65) 48.82,49.63 48.82,49.62 48.82,48.63 C53.2 ; v1(50.57,52.72) 50.76,52.72 50.79,52.75 52.05,52.75 ; C7.2 v1(93.52,38.33) ; U1.39 76.92,46.55 ; 52.05,55.25 53.3,55.25 53.43,55.38 v1(53.52,55.38) 53.52,55.03 53.24,54.75 52.05,54.75 ; 33.26,48.69 32.95,49 C43.2 ; 45.42,49.33 46.12,49.33 46.12,50.05 45.47,50.05 45.47,50.08 45.4,50.15 45.4,50.65 45.04,51 43.37,51 v1(43.22,50.85) ; v1(93.92,62.35) 94.09,62.18 U2.46 99.18,62.18 99.19,62.17 ; C49.2 v1(50.42,41.13) ; v1(54.52,41.33) 54.52,42.7 R5.2 ; 34.12,57.49 34.12,59.76 ; 48.12,52.25 48.14,52.23 ; 30.42,59.76 30.42,57.49
  Top w0.4: v1(79.69,45.75) 79.69,45.78 78.92,46.55
  Top w1.25: SW6.6 19.58,40.52 ; SW6.8 7.71,40.52 ; SW6.5 14.23,48.14 ; SW6.7 12.01,35.87
  In1.Cu w0.4: 48.8,53.1 v1(48.82,53.13)
  Bottom w0.25: v1(45.47,61.88) 45.47,60.98 45.55,60.9 45.55,60.85 ; 26.42,51.83 26.42,51.78 v1(26.45,51.75) ; 18.82,28.79 18.62,28.59 18.62,27.73 v1(18.42,27.53) ; 27.22,52.63 U15.2 ; 57.35,58.06 U12.2 ; 45.55,60.85 C13.2 45.52,60.1 45.52,57.93 ; 45.55,60.85 46.97,62.28 P2.35 ; C14.2 61.89,61.83 61.47,62.25 P2.6 ; C39.2 26.45,51.7 26.45,51.7 v1(26.45,51.75) ; v1(26.45,51.75) 26.45,51.75 26.5,51.8 26.54,51.8 ; 55.32,62.13 55.47,62.28 P2.18 ; 78.97,63.28 80.22,63.28 80.22,63.75 80.12,63.85 80.14,63.88 v1(80.14,63.88) ; Q8.2 49.58,59.79 48.52,58.73 48.52,58.03 48.79,57.75 49,57.75 v1(49.32,57.43)
  Bottom w0.3: v1(29.22,50.13) 29.47,50.38 29.47,52.99 30.09,53.6 31.42,53.6 32.3,52.72 C61.2
  Bottom w0.4: 102.2,43.93 101.6,43.33 78.97,43.33 78.61,43.69 77.26,43.69 77.02,43.93 ; 17.84,34.6 v1(17.82,34.63) ; 103.96,42.03 103.46,41.53 77.8,41.53 77.44,41.89 61,41.89 57.66,45.22 ; 76.92,43.93 76.68,43.69 62.1,43.69 61.86,43.93
  Bottom w0.5: 57.66,45.22 57.17,45.22 56.7,45.69 56.7,46.35 56.9,46.55 56.7,46.75 56.7,46.98 57.42,47.7 58.08,47.7 61.86,43.93 ; 102.2,43.93 103.27,45 103.27,45.32 103.83,45.88 103.87,45.88 v1(104.22,46.23) ; v1(104.22,42.43) 104.22,42.28 103.96,42.03 ; 77.02,43.93 77.02,44.64 v1(76.92,44.74) 76.92,43.93 ; v1(12.35,22.93) 12.23,22.93 12.04,23.13 Q10.2
  Bottom w0.8: v1(17.82,34.63) v1(17.82,35.63) ; C60.2 17.84,34.6
  vias: v1(2.82,37.33) v1(2.82,32.33) v1(4.22,25.63) v1(5.22,50.63) v1(6.22,13.63) v1(6.92,45.93) v1(8.02,37.33) v1(7.97,25.63) v1(7.97,21.13) v1(8.12,16.93) v1(8.12,15.73) v1(8.22,52.63) v1(8.22,50.63) v1(8.22,11.13) v1(8.52,27.33) v1(8.72,30.13) v1(9.72,17.13) v1(10.22,13.63) v1(11.22,10.13) v1(12.22,53.83) v1(12.32,46.03) v1(14.03,35.82) v1(14.22,25.13) v1(14.32,46.83) v1(15.22,29.13) v1(16.52,57.63) v1(16.72,29.13) v1(16.72,25.13) v1(17.24,38.63) v1(17.47,62.63) v1(17.72,53.55) v1(18.17,45.58) v1(19.72,62.63) v1(19.93,46.29) v1(20.82,46.29) v1(21.22,24.43) v1(21.47,53.55) v1(21.97,59.63) v1(23.42,60.63) v1(23.72,48.48) v1(24.55,23.45) v1(25.02,45.83) v1(25.22,40.53) v1(25.22,9.63) v1(25.32,59.63) v1(25.32,57.63) v1(25.61,44.11) v1(25.82,37.73) v1(26.47,49.13) v1(26.97,63.13) v1(27.02,61.23) v1(27.22,6.63) v1(27.32,23.43) v1(27.52,29.98) v1(27.72,37.28) v1(27.82,44.13) v1(28.22,61.63) v1(28.68,66.92) v1(29.82,39.03) v1(29.82,37.33) v1(30.2,48.73) v1(30.42,60.93) v1(30.42,58.53) v1(31.14,48.73) v1(31.12,46.23) v1(31.12,44.13) v1(31.72,6.63) v1(32.22,60.93) v1(32.72,41.43) v1(32.72,39.03) v1(32.72,37.33) v1(33.22,71.13) v1(33.92,30.83) v1(33.92,28.93) v1(34.12,60.93) v1(34.22,68.13) v1(35.62,42.63) v1(35.67,49.28) v1(36.22,68.13) v1(36.22,66.13) v1(36.47,61.38) v1(36.47,59.88) v1(36.62,49.28) v1(36.72,42.63) v1(36.82,57.38) v1(36.82,56.53) v1(37.37,63.13) v1(37.82,42.63) v1(38.02,37.73) v1(38.22,64.88) v1(38.22,62.1) v1(38.39,58.63) v1(39.52,56.93) v1(39.97,64.88) v1(39.97,63.53) v1(39.97,62.1) v1(40.61,50.85) v1(41.97,57.03) v1(43.32,45.88) v1(43.47,60.88) v1(44.22,67.38) v1(44.22,65.63) v1(44.22,61.88) v1(44.22,57.03) v1(46.22,65.63) v1(47.22,69.38) v1(49.47,69.38) v1(50.82,55.83) v1(52.72,69.38) v1(53.18,61.99) v1(59.59,46.2) v1(60.41,47.98) v1(61.32,59.13) v1(61.32,57.03) v1(61.72,69.38) v1(62.42,57.03) v1(62.52,46.13) v1(65.22,68.63) v1(66.97,68.13) v1(68.67,62.38) v1(74.22,61.03) v1(75.07,44.74) v1(75.32,65.73) v1(79.22,41.13) v1(81.22,41.13) v1(82.72,66.63) v1(83.22,41.13) v1(85.22,41.13) v1(85.47,70.13) v1(87.22,41.13) v1(88.22,43.93) v1(89.22,67.63) v1(89.22,41.13) v1(90.02,43.93) v1(93.22,67.63) v1(93.22,64.88) v1(96.72,64.88) v1(97.22,45.63) v1(97.62,41.13) v1(98.47,71.13) v1(99.22,50.73) v1(100.42,41.13) v1(100.42,39.13) v1(100.97,67.63) v1(101.22,60.88) v1(101.62,45.63) v1(101.62,44.13) v1(101.82,50.83) v1(102.32,34.93) v1(103.72,64.88) v1(104.22,39.13) v1(106.12,58.53) v1(106.12,55.13) v1(106.97,50.88) v1(108.32,59.63) v1(109.72,50.88) v1(110.02,47.43) v1(110.22,43.63) v1(111.97,59.36) v1(112.22,49.83) v1(112.22,45.23) v1(112.22,43.63) v1(114.72,52.38) v1(114.82,63.13) v1(115.22,54.63) v1(116.22,40.63) v1(116.22,37.63) v1(117.47,43.38) v1(118.22,40.63) v1(119.22,54.63) v1(120.22,46.63) v1(120.22,43.38) v1(120.22,40.63) v1(122.22,50.63) v1(122.22,38.63) v1(122.42,48.23) v1(124.72,38.63) v1(127.22,50.63) v1(127.22,38.63) v1(129.22,43.63)
